# Altium PCB C210.PcbDoc (part 5 of 8)
Units mm, origin at the board's own origin, x right, y up, seen from the top; angles counter-clockwise.
Board outline 68 x 129.25 mm, 6 copper layers (L1, L2, L3, L4, L5, L6), stack 1.547 mm thick; 512 components, 298 nets, 1774 pads, 1892 vias.
Unrouted connection lines stored in the file: 306.
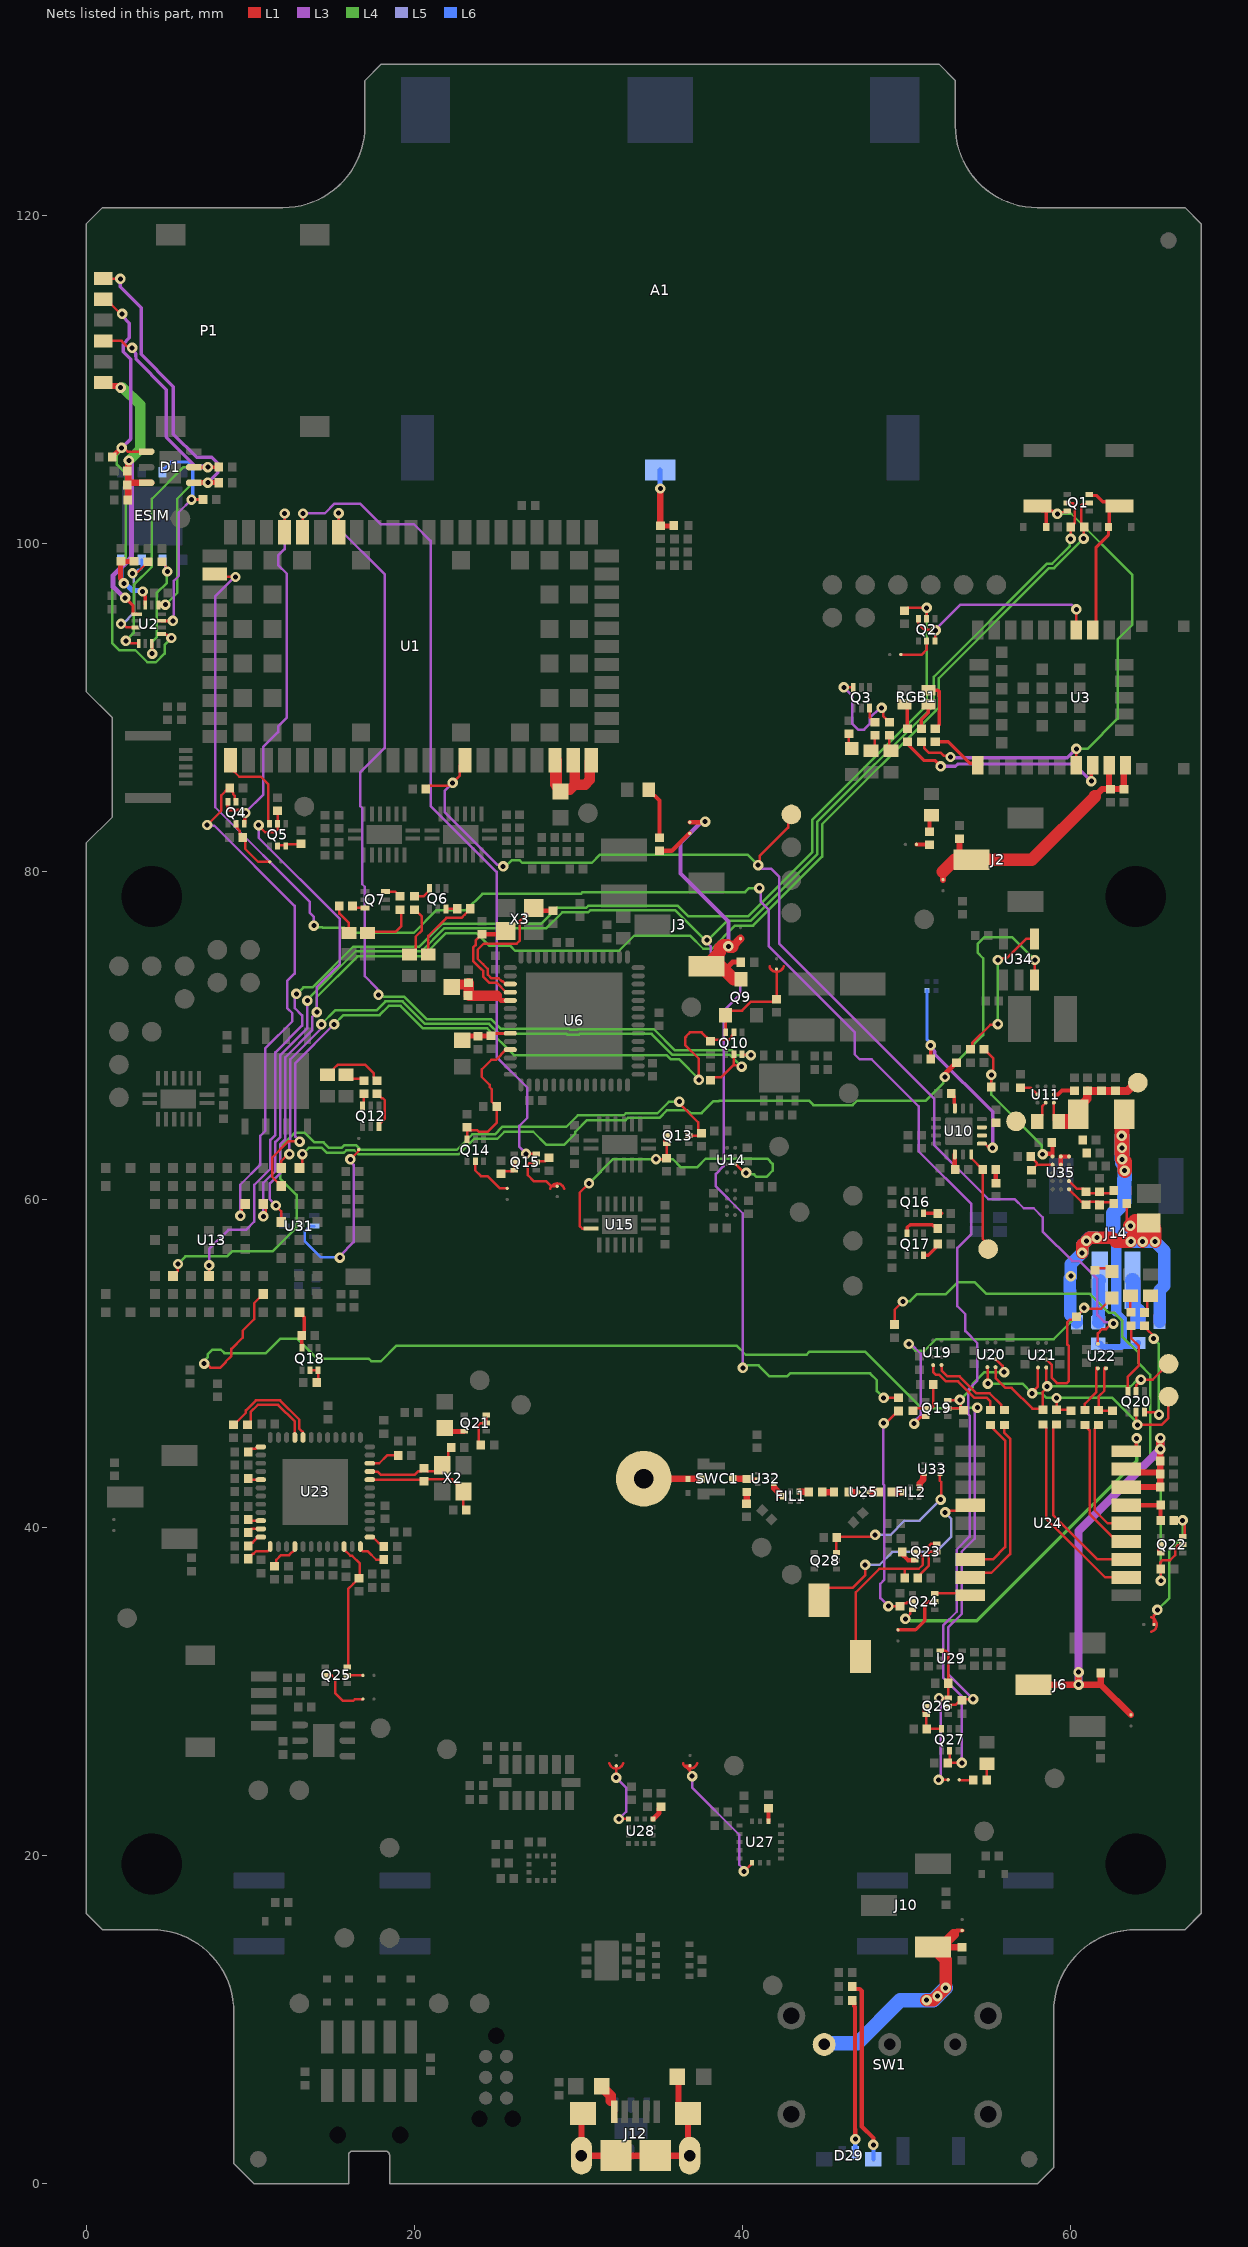
[diagram p9: the nets of this part, all layers, seen from the top]

## Via types
v1: diameter 0.635, hole 0.305, L1 to L6, tented both sides, 1892 vias

## Nets (pads, with @x,y where several pads share a name; then routed paths per layer and width w, separated by ;. In a path a pad name is that pad's centre, name@x,y a point inside that pad or via, vN(x,y) a via of type N, cw(c..) or ccw(c..) an arc to the next point about the centre after c; other vN are vias at no path point) (continued)
MAX_RXD: FB5.1 Q20.5 R85.2 TP35.1 U20.D1 U21.D1 | length 18.8
  L1 w0.152: U20.D1@54.95,49.8 54.963,49.787 54.963,48.813 v1(54.977,48.799) ; v1(57.688,48.2) 57.688,48.272 58.038,48.622 U21.D1@58.038,49.778 ; v1(59.17,47.921) 59.17,47.211 FB5.1@59.163,47.204 59.238,47.204 59.988,47.204 R85.2@60.038,47.154 ; Q20.5@64.025,47.05 64.025,46.354 v1(64.1,46.279) 65.579,46.279 65.975,46.675 65.975,47.975 TP35.1@66,48
  L4 w0.152: v1(54.977,48.799) 57.089,48.799 v1(57.688,48.2) 58.283,48.2 58.563,47.921 v1(59.17,47.921) 59.179,47.929 62.575,47.929 64.1,46.404 v1(64.1,46.279)
MAX_SCL: FB3.2 U24.17 | length 11
  L1 w0.152: U24.17@53.913,36.979 54.188,37.254 55.188,37.254 56.338,38.404 56.338,45.443 55.988,45.793 FB3.2@55.988,46.279
MAX_SDA: FB4.2 U24.16 | length 10.3
  L1 w0.152: U24.16@53.913,38.079 55.288,38.079 56.033,38.824 56.033,45.317 55.138,46.212 FB4.2@55.138,46.279
MAX_TXD: FB6.1 Q20.2 TP33.1 U20.D2 U21.D2 | length 15.9
  L1 w0.152: U20.D2@55.45,49.8 55.45,49.129 56.05,48.529 56.431,48.529 57.695,47.266 58.27,47.266 FB6.1@58.332,47.204 58.332,48.294 58.595,48.557 v1(58.595,48.625) 58.556,48.664 58.556,49.761 U21.D2@58.538,49.778 ; Q20.2@64.025,48.3 64.025,48.675 64.325,48.975 64.315,48.985 v1(64.315,49.039) 65.039,49.039 TP33.1@66,50
  L4 w0.152: v1(58.595,48.625) 63.696,48.625 64.046,48.975 64.315,48.975 v1(64.315,49.039)
MFF2_CLK: C12.1 ESIM.6 U2.7 | length 7.6
  L1 w0.152: U2.7@4.011,93.925 4.018,93.918 4.018,93.307 v1(4.025,93.3) ; C12.1@4.625,98.9 4.861,98.664 4.861,98.403 v1(4.953,98.311)
  L4 w0.152: v1(4.025,93.3) 4.011,93.314 4.011,94.006 4.3,94.294 4.3,97 4.92,97.62 4.92,98.277 v1(4.953,98.311)
  L6 w0.152: ESIM.6@4.66,99.025 4.834,98.851 4.834,98.561 4.953,98.442 v1(4.953,98.311)
MFF2_IO: C1.1 ESIM.3 U2.11 | length 13.6
  L1 w0.203: U2.11@4.586,95.3 v1(5.291,95.3) ; v1(6.426,102.7) C1.1@7.127,102.7
  L3 w0.152: v1(5.291,95.3) 5.35,95.359 5.35,97.751 5.65,98.051 5.65,101.924 v1(6.426,102.7)
  L6 w0.203: ESIM.3@4.66,104.375 4.66,104.45 5.198,104.988 6.258,104.988 6.496,104.75 6.496,102.77 v1(6.426,102.7)
MFF2_RST: C10.1 ESIM.7 U2.3 | length 7
  L1 w0.152: v1(2.124,95.119) 2.255,95.119 2.474,94.9 U2.3@3.036,94.9 ; v1(2.829,98.195) 2.922,98.287 3.147,98.287 3.76,98.9 C10.1@3.775,98.9
  L5 w0.152: v1(2.124,95.119) 2.244,95.119 2.929,95.804 2.929,97.61 2.89,97.649 2.89,98.134 v1(2.829,98.195)
  L6 w0.152: v1(2.829,98.195) 2.96,98.195 3.172,98.408 3.281,98.408 3.39,98.517 ESIM.7@3.39,99.025
MFF2_VSIM: C9.1 C11.1 ESIM.8 U2.15 | length 6.1
  L1 w0.203: C9.1@2.042,98.842 C9.1@2.125,98.925 ; v1(2.298,97.592) v1@2.323,97.566 ; v1(3.45,97.093) 3.45,96.976 3.611,96.815 U2.15@3.611,96.275
  L1 w0.305: v1(2.298,97.592) 2.298,97.681 2.099,97.88 2.099,98.899 C9.1@2.125,98.925 C11.1@2.925,98.925
  L6 w0.305: ESIM.8@2.12,99.025 2.12,97.859 2.298,97.681 v1(2.298,97.592) 2.387,97.592 2.823,97.156 3.387,97.156 v1(3.45,97.093)
N\I\N\A\_\C\O\M\_\C\T\R\L\: Q13.5 Q13.6 R51.2 U14.C2 U15.9 | length 21.4
  L1 w0.152: v1(30.662,61.004) 30.089,60.431 30.089,58.404 30.251,58.242 U15.9@30.786,58.242 ; v1(34.748,62.479) 35.339,62.479 R51.2@35.401,62.54 ; R51.2@35.401,62.54 Q13.6@35.4,63.423 35.25,63.573 35.25,63.875 35.352,63.875 Q13.5@35.4,63.923 ; U14.C2@39.579,62.175 39.604,62.175 40.137,61.642 v1(40.25,61.642)
  L4 w0.152: v1(30.662,61.004) 32.137,62.479 35.769,62.479 36.251,61.997 37.267,61.997 37.783,62.512 41.537,62.512 41.861,62.188 41.861,61.774 41.49,61.403 40.872,61.403 40.726,61.55 40.342,61.55 v1(40.25,61.642)
NANO_CLK: C6.1 D1.4 P1.C3 U2.9 | length 31.5
  L1 w0.152: P1.C3@1.05,114.91 1.35,114.61 1.52,114.61 2.112,114.018 v1(2.192,114.018) ; v1(2.17,105.85) 2.301,105.85 2.526,105.625 D1.4@3.6,105.625 D1.4@3.975,105.625 ; U2.9@4.586,94.5 4.62,94.466 4.901,94.466 5.108,94.259 v1(5.198,94.259)
  L1 w0.305: C6.1@1.6,105.3 1.6,105.315 2.135,105.85 v1(2.17,105.85)
  L3 w0.152: 2.235,112.155 2.255,112.175
  L3 w0.203: v1(2.17,105.85) 2.712,106.392 2.712,111.263 2.255,111.72 2.255,112.175 2.631,112.551 2.631,113.463 2.192,113.901 v1(2.192,114.018)
  L4 w0.152: v1(2.17,105.85) 2.17,105.719 1.875,105.424 1.875,104.829 2.431,104.273 2.431,98.906 1.6,98.075 1.6,93.935 2.014,93.521 2.994,93.521 3.736,92.779 4.259,92.779 4.785,93.306 4.785,93.832 5.198,94.245 v1(5.198,94.259)
NANO_IO: C5.1 D1.1 P1.C7 U2.13 | length 27.6
  L1 w0.152: P1.C7@1.053,116.152 v1(2.082,116.152) ; U2.13@4.411,96.275 4.424,96.287 v1(4.829,96.287)
  L1 w0.305: D1.1@6.65,103.725 v1(7.425,103.725) C5.1@8.1,103.725
  L3 w0.203: v1(2.082,116.152) 2.082,115.678 3.353,114.407 3.353,111.547 5.315,109.585 5.315,106.691 6.735,105.272 7.672,105.272 8.022,104.922 8.022,104.322 v1(7.425,103.725)
  L4 w0.152: v1(4.829,96.287) 5.555,97.013 5.555,102.755 6.525,103.725 v1(7.425,103.725)
NANO_RST: C7.1 D1.2 P1.C2 U2.5 | length 27.4
  L1 w0.152: P1.C2@1.05,112.37 2.168,112.37 2.497,112.041 2.709,112.041 v1(2.801,111.949) ; v1(2.42,94.084) 2.551,94.084 2.71,93.925 U2.5@3.211,93.925
  L1 w0.203: D1.2@6.65,104.675 v1(7.425,104.675) C7.1@8.1,104.675
  L3 w0.203: v1(2.801,111.949) 2.801,111.832 3.022,111.61 3.022,111.42 3.043,111.399 3.043,111.247 4.884,109.406 4.884,106.512 6.721,104.675
  L3 w0.305: 6.721,104.675 v1(7.425,104.675)
  L4 w0.152: v1(2.42,94.084) 2.9,94.563 2.9,97.494 4,98.594 4,102.745 5.93,104.675 v1(7.425,104.675)
NANO_VSIM: C2.1 C3.1 C4.1 D1.6 P1.C1 U2.1 | length 21.2
  L1 w0.203: v1(2.379,96.707) 2.863,96.223 2.863,95.708 2.871,95.7 U2.1@3.086,95.7
  L1 w0.305: C4.1@2.499,104.45 2.499,104.465 2.563,104.529 2.607,104.573 C4.1@2.622,104.573
  L1 w0.381: P1.C1@1.05,109.83 1.26,109.62 1.939,109.62 2.034,109.525 v1(2.103,109.525) ; C2.1@2.499,103.575 C2.1@2.563,103.639 ; C3.1@2.525,102.675 2.563,102.713 C2.1@2.563,103.639 ; v1(2.602,105.079) 2.563,105.041 2.563,104.529 C2.1@2.563,103.725 ; D1.6@3.975,103.725 D1.6@3.6,103.725 C2.1@2.563,103.725 ; C2.1@2.563,103.639 C2.1@2.563,103.725
  L3 w0.305: v1(2.379,96.707) 2.318,96.707 1.65,97.375 1.65,98.075 2.775,99.2 v1@2.775,105.079
  L4 w0.635: v1(2.103,109.525) 2.244,109.525 3.3,108.469 3.3,105.777 v1(2.602,105.079)
NetA1_1: A1.1 Z1.2 Z2.2 | length 4.2
  L1 w0.3: Z1.2@34.993,101.129 35.025,101.097 Z2.2@35.803,101.097
  L1 w0.391: Z1.2@35.015,101.132 v1(35.015,103.375)
  L6 w0.3: A1.1@35,104.5 35,103.39 v1(35.015,103.375)
NetA2_1: A2.1 D18.1 SWC1.A | length 3.5
  L1 w0.391: A2.1@34,43 34,42.987 36.7,42.987 SWC1.A@37.51,42.987
NetBTN4_1: BTN4.1 D2.1 Q1.6 R14.1 U3.7 | length 33.5
  L1 w0.152: R14.1@50.925,87.925 50.933,87.925 51.117,87.741 51.117,87.525 51.392,87.25 52.122,87.25 52.28,87.092 52.614,87.092 v1(52.706,87) ; v1(59.225,101.832) 59.356,101.832 59.45,101.926 59.751,101.926 Q1.6@59.825,102 ; U3.7@60.375,86.5 v1(60.375,87.5)
  L1 w0.203: D2.1@58.55,101.025 BTN4.1@58.55,102.002 ; v1(59.225,101.832) 59.108,101.832 58.939,102.002 BTN4.1@58.55,102.002 ; Q1.6@59.825,101.95 Q1.6@59.825,102 ; BTN4.1@58.55,102.002 58.298,102.002 BTN4.1@58,102.3 58.252,102.3 BTN4.1@58.55,102.002
  L3 w0.203: v1(52.706,87) 52.756,86.95 59.825,86.95 v1(60.375,87.5)
  L4 w0.152: v1(59.225,101.832) 60.068,101.832 63.8,98.1 63.8,95.067 62.896,94.163 62.896,89.347 61.049,87.5 v1(60.375,87.5)
NetBTN5_1: BTN5.1 D3.1 Q1.3 U3.18 | length 10.5
  L1 w0.203: Q1.3@61.175,103 61.223,102.952 61.6,102.952 61.988,102.563 62.737,102.563 BTN5.1@63,102.3 62.673,102.3 62.375,102.002 62.375,101.062 D3.1@62.338,101.025 62.338,100.538 61.575,99.775 61.575,94.95 U3.18@61.375,94.75
NetC16_1: C16.1 C17.2 C28.1 J2.2 NC5.1 U3.9 U3.10 | length 17.9
  L1 w0.381: 52.239,80.015 52.25,80.003 NC5.1@52.25,79.525 ; C28.1@53.25,82.025 53.25,80.741 J2.2@53.975,80.741 ; 61.5,84.6 61.95,85.05 C17.2@62.45,85.05 ; U3.9@62.375,86.5 62.375,85.125 C17.2@62.45,85.05 ; U3.10@63.375,86.5 63.275,86.4 C16.1@63.275,85.05 C17.2@62.45,85.05
  L1 w0.762: 52.239,80.015 52.965,80.741 J2.2@53.25,80.741 ; J2.2@53.975,80.741 57.666,80.741 61.5,84.575 61.5,84.6
NetC32_1: C32.1 C33.2 FB11.1 U6.9 | length 3.1
  L1 w0.203: C33.2@24.693,70 24.832,70.139 25.845,70.139 U6.9@25.864,70.158
  L1 w0.305: FB11.1@22.925,69.725 23.183,69.983 C32.1@23.9,69.983 23.909,69.991 24.684,69.991 C33.2@24.693,70
NetC36_1: C36.1 J3.3 NC2.1 NC6.2 Q9.3 | length 18.9
  L1 w0.254: NC2.1@36.802,83.023 v1@37.744,83.023 ; J3.3@37.775,74.235 38.134,74.235 J3.3@38.642,74.743 ; 38.642,75.333 38.937,75.333 39.061,75.457 v1(39.164,75.457)
  L1 w0.305: 38.935,74.01 39.413,74.488 C36.1@39.925,74.488
  L1 w0.508: v1@39.401,75.424 NC6.2@39.9,75.924
  L1 w0.762: v1@39.401,75.424 39.215,75.424 39.107,75.532 38.842,75.532 38.642,75.333 38.642,75.102 38.276,74.736 37.775,74.235 38.71,74.235 38.935,74.01 39.494,73.45 Q9.3@39.925,73.45
  L3 w0.254: v1(37.744,83.06) 37.535,83.06 36.237,81.762 36.237,79.893 39.164,76.966 v1(39.164,75.457)
NetC41_1: C41.1 C42.2 FB12.1 U6.5 | length 4.5
  L1 w0.305: 25.025,72.445 25.31,72.16 25.861,72.16 U6.5@25.864,72.158
  L1 w0.635: FB12.1@22.347,72.975 22.505,73.133 23.23,73.133 C41.1@23.321,73.224 C42.2@23.321,72.475 ; C42.2@23.352,72.445 25.025,72.445
NetC54_1: C54.1 U11.B3 | length 1.4
  L1 w0.254: U11.B3@59.01,66.422 59.26,66.422 59.51,66.672 C54.1@60.263,66.672
NetC55_1: C55.1 R5.1 TP29.1 U10.2 U10.3 U11.C2 | length 1.5
  L1 w0.152: R5.1@57.805,64.762 57.916,64.873 58.012,64.873 58.288,65.149 58.288,65.699 U11.C2@58.51,65.922
NetC56_2: C56.2 C62.2 C63.1 C147.1 C149.2 F1.1 R5.2 TP31.1 U11.C3 U35.D2 U35.E1 U35.E2 | length 8.6
  L1 w0.152: U11.C3@59.01,65.922 59.01,64.856 R5.2@59.105,64.762
  L1 w0.254: U35.D2@59.43,62.142 U35.E2@59.43,62.642 U35.E1@59.93,62.642
  L1 w0.508: F1.1@60.377,65.204 60.377,65.479 61.043,66.145 61.043,66.641 61.049,66.647 C62.2@61.064,66.647 61.079,66.647 61.085,66.64 C56.2@62.762,66.64 63.508,66.64 64.014,67.147 TP31.1@64.125,67.147
  L1 w0.889: R5.2@59.43,64.751 59.478,64.751 59.454,64.775 60.319,64.775 60.377,64.833 F1.1@60.377,65.204
NetC76_2: C76.2 Q18.3 U13.B9 | length 2.3
  L1 w0.203: U13.B9@13,53.15 13.305,52.845 13.305,51.893 C76.2@13.15,51.738 ; Q18.3@13.15,50.971 C76.2@13.15,51.646
NetC88_1: C88.1 R88.1 U23.45 X2.3 | length 6.2
  L1 w0.152: U23.45@17.3,43.437 17.328,43.409 17.789,43.409 17.956,43.241 20.051,43.241 20.267,43.458 20.426,43.458 R88.1@20.61,43.641 20.789,43.462 21.355,43.462 X2.3@21.71,43.816 22.076,44.183 22.076,44.713 C88.1@22.26,44.897
NetC89_1: C89.1 U23.17 | length 0.8
  L1 w0.152: C89.1@9.875,42.975 9.913,42.937 U23.17@10.65,42.937
NetC90_1: C90.1 U23.46 | length 1.9
  L1 w0.152: U23.46@17.3,43.937 17.873,43.937 18.352,44.417 C90.1@19.03,44.417
NetC96_2: C96.2 C97.2 C100.1 C117.2 J6.2 NC13.1 U24.7 U24.8 | length 32.5
  L1 w0.254: U24.7@63.413,42.479 U24.7@63.424,42.49 ; v1(65.501,44.801) 65.472,44.83 v1@65.501,44.86
  L1 w0.305: U24.8@63.413,43.579 U24.8@63.593,43.4 ; C96.2@65.391,43.4 65.416,43.375 C96.2@65.501,43.29
  L1 w0.381: J6.2@57.758,30.437 61.874,30.437 ; v1(60.513,30.44) v1(60.513,31.196) ; C117.2@61.86,31.156 61.86,30.451 61.874,30.437 ; U24.7@63.424,42.49 C100.1@65.501,42.49 C96.2@65.501,43.29 ; U24.8@63.593,43.4 63.618,43.375 C96.2@65.416,43.375 ; NC13.1@63.711,28.601 61.874,30.437 ; C96.2@65.501,43.4 C97.2@65.501,44.09 v1(65.501,44.801)
  L1 w0.508: v1@65.501,44.86 v1(65.501,45.475)
  L3 w0.508: v1@60.513,30.425 v1(60.513,30.44) v1(60.513,31.196) 60.513,39.813 v1(65.501,44.801) v1(65.501,45.475)
NetC98_1: C98.1 L2.2 | length 0.7
  L1 w0.391: C98.1@44.875,42.175 L2.2@45.6,42.175
NetC98_2: C98.2 FIL1.4 | length 0.6
  L1 w0.391: FIL1.4@43.5,42.213 C98.2@44.075,42.213
NetC99_1: C99.1 FIL2.1 | length 0.6
  L1 w0.391: C99.1@49.125,42.175 FIL2.1@49.693,42.175
NetC99_2: C99.2 U25.2 | length 0.5
  L1 w0.391: U25.2@47.8,42.175 C99.2@48.325,42.175
NetC102_1: C102.1 R88.2 U23.44 X2.1 | length 7.3
  L1 w0.152: U23.44@17.3,42.937 20.514,42.937 R88.2@20.61,42.841 20.743,42.974 22.316,42.974 22.316,42.96 23.01,42.266 X2.1@23.01,42.216 23.01,41.272 C102.1@23.182,41.1
NetC103_2: C103.2 L1.1 | length 0.7
  L1 w0.391: C103.2@40.275,41.479 L1.1@40.275,42.182
NetC105_2: C105.2 R96.1 U24.6 | length 3
  L1 w0.254: U24.6@63.413,41.379 C105.2@65.513,41.379 R96.1@65.513,40.466 ; R96.1@65.512,40.454 R96.1@65.523,40.466
NetC113_2: C113.2 U28.4 | length 1
  L1 w0.305: U28.4@34.575,22.25 34.933,22.608 34.933,22.898 C113.2@35.044,23.009
NetC118_1: C118.1 U27.14 | length 0.8
  L1 w0.254: U27.14@41.6,22.105 C118.1@41.6,22.917
NetC130_1: C130.1 J10.3 NC15.2 SW1.1 | length 16.2
  L1 w0.254: J10.3@51.65,14.435 J10.3@51.657,14.428 ; 52.892,15.232 53.11,15.45 NC15.2@53.418,15.45
  L1 w0.381: J10.3@52.088,14.428 C130.1@53.4,14.428
  L1 w0.635: J10.3@52.088,14.428 52.892,15.232
  L1 w0.762: v1@51.225,11.2 v1(51.25,11.2) 51.663,11.2 v1(51.909,11.446) v1(52.413,11.95) 52.425,11.962 52.425,13.66 J10.3@51.657,14.428
  L6 w0.889: SW1.1@45,8.5 45.084,8.584 47.034,8.584 49.65,11.2 v1(51.25,11.2) 51.663,11.2 v1(51.909,11.446) v1(52.413,11.95)
NetC144_2: C144.2 Q14.3 R45.2 U6.11 | length 8.6
  L1 w0.152: Q14.3@23.231,63.701 23.231,64.356 23.232,64.357 23.332,64.258 23.836,64.258 23.945,64.148 24.473,64.148 25.044,64.719 25.044,65.501 R45.2@24.966,65.58 ; R45.2@25.025,65.7 25.025,65.715 24.841,65.899 24.826,65.899 24.73,65.995 24.73,66.749 24.611,66.868 24.611,67.011 24.125,67.497 24.125,67.955 24.702,68.532 24.988,68.532 25.614,69.158 U6.11@25.864,69.158
NetC145_1: C145.1 U6.4 X3.1 | length 6.6
  L1 w0.152: C145.1@24.132,76.192 23.753,75.813 23.753,75.531 23.597,75.375 23.597,74.575 24.084,74.088 24.203,73.969 24.209,73.964 24.209,73.624 24.608,73.225 25.046,73.225 25.614,72.658 U6.4@25.864,72.658
  L1 w0.254: C145.1@24.147,76.192 24.217,76.192 25.385,76.192 X3.1@25.592,76.399
NetC146_1: C146.1 U6.3 X3.3 | length 9.8
  L1 w0.152: U6.3@25.864,73.158 25.574,73.158 25.395,73.336 25.33,73.336 25.162,73.504 24.723,73.504 24.488,73.74 24.488,74.079 24.2,74.368 23.877,74.691 23.877,75.26 24.246,75.628 26.259,75.628 26.45,75.819 26.45,77.007 27.242,77.799 X3.3@27.292,77.799
  L1 w0.254: X3.3@27.292,77.799 27.464,77.627 C146.1@28.473,77.627
NetC150_1: C150.1 C151.2 R76.1 U35.B1 | length 3.3
  L1 w0.15: U35.B1@59.93,61.142 60.387,60.685 60.791,60.685 61.076,60.4 61.626,60.4 61.764,60.538 61.801,60.575 61.976,60.4 62.496,60.4 R76.1@62.673,60.577
NetC150_2: C150.2 C152.2 R6.1 U35.A1 | length 3.3
  L1 w0.152: U35.A1@59.93,60.642 60.688,59.884 60.792,59.884 C150.2@60.976,59.7 61.151,59.875 61.734,59.875 61.814,59.795 61.871,59.852 62.58,59.852 R6.1@62.664,59.767
NetC153_1: C153.1 R75.2 R87.2 U35.E3 | length 10.2
  L1 w0.152: R87.2@54.75,69.175 54.765,69.175 55.102,68.838 55.109,68.838 55.3,68.647 55.3,67.954 55.286,67.94 55.286,67.716 v1(55.193,67.624) 55.193,66.882 R75.2@55.197,66.878
  L1 w0.254: v1(58.32,62.781) 58.355,62.816 58.93,62.816 ; C153.1@58.888,63.5 58.93,63.458 58.93,62.816 ; U35.E3@58.93,62.642 58.93,62.816
  L4 w0.152: v1(55.193,67.624) 55.193,66.408 58.275,63.327 58.275,62.825 v1(58.32,62.781)
NetC154_2: C154.2 R92.2 U35.D3 | length 2.1
  L1 w0.152: R92.2@57.61,62.64 57.61,62.625 57.978,62.257 57.978,62.142 ; C154.2@57.635,61.815 57.65,61.815 57.978,62.142 ; U35.D3@58.93,62.142 57.978,62.142
NetD4_2: D4.2 R10.1 | length 1
  L1 w0.152: R10.1@46.51,88.425 46.51,87.7 D4.2@46.685,87.525
NetD5_A: D5.A R11.1 | length 1
  L1 w0.152: R11.1@48.975,88.325 48.975,87.475 D5.A@49.075,87.375
NetD6_A: D6.A R12.1 | length 1.1
  L1 w0.152: D6.A@47.85,87.375 48.1,87.625 R12.1@48.1,88.325
NetD7_A: D7.A R21.1 | length 3.2
  L1 w0.254: D7.A@34.3,85 34.96,84.34 R21.1@34.96,82.083
NetD8_A: D8.A R22.1 | length 1.1
  L1 w0.254: R22.1@51.425,82.45 51.425,83.325 D8.A@51.55,83.45
NetD9_A: D9.A R23.1 | length 3.3
  L1 w0.152: D9.A@19.717,74.954 19.792,74.954 20.091,75.253 20.091,76.04 20.474,76.424 20.474,77.266 20.04,77.7 R23.1@20.025,77.7
NetD10_A: D10.A R24.1 | length 4.4
  L1 w0.152: D10.A@20.862,74.954 20.862,76.094 21.963,77.196 22.893,77.196 23.088,77.391 23.088,77.398 23.425,77.735 R24.1@23.425,77.75
NetD11_A: D11.A R28.1 | length 3.3
  L1 w0.15: D11.A@17.15,76.275 17.233,76.358 18.883,76.358 19.22,76.695 19.22,77.63 R28.1@19.15,77.7
NetD12_A: D12.A R25.1 | length 1.9
  L1 w0.152: R25.1@15.442,77.907 15.442,77.46 16.025,76.877 D12.A@16.025,76.275
NetD13_A: D13.A R38.1 | length 1.2
  L1 w0.152: D13.A@15.85,67.625 16.1,67.375 16.831,67.375 R38.1@16.931,67.275
NetD14_A: D14.A R39.1 | length 3.9
  L1 w0.152: D14.A@14.725,67.625 14.8,67.625 15.099,67.924 15.099,67.999 15.35,68.25 17.009,68.25 17.526,67.733 17.526,67.451 R39.1@17.727,67.25
NetD15_1: D15.1 Q19.3 R70.2 U21.C2 | length 27.8
  L1 w0.15: v1(50.485,46.35) 50.869,46.734 51.143,46.734 Q19.3@51.188,46.779
  L1 w0.152: U21.C2@58.538,50.278 58.864,49.953 58.864,49.156 59.192,48.828 59.798,48.828 59.919,48.95 59.919,51.082 59.827,51.175 59.827,52.545 59.979,52.698 60.203,52.698 R70.2@60.387,52.882 ; R70.2@60.411,52.931 60.452,52.931 60.855,53.335 v1(60.855,53.42) 60.905,53.37 61.895,53.37 D15.1@62.55,54.025
  L3 w0.15: v1(50.166,51.212) 50.294,51.212 50.888,50.617 50.888,46.884 50.485,46.481 v1(50.485,46.35)
  L4 w0.152: v1(50.166,51.212) 50.568,50.81 51.135,50.81 51.824,51.5 58.994,51.5 60.855,53.362 v1(60.855,53.42)
NetD15_2: D15.2 R68.1 | length 1
  L1 w0.152: R68.1@61.588,55.825 62.35,55.825 D15.2@62.55,55.625
NetD16_A: D16.A R71.1 | length 1.2
  L1 w0.152: R71.1@64.525,53.132 64.688,53.295 64.688,53.934 D16.A@64.9,54.146
NetD17_A: D17.A R72.1 | length 1
  L1 w0.152: D17.A@63.675,54.15 63.675,53.186 R72.1@63.725,53.136
NetD21_A: D21.A R118.1 | length 1
  L1 w0.152: R118.1@54.9,24.619 54.9,25.595 D21.A@54.925,25.62
NetD29_1: D29.1 R126.1 | length 9.4
  L1 w0.254: R126.1@46.704,11.175 46.837,11.042 46.837,10.85 46.888,10.799 46.888,3.34 46.9,3.328 v1(46.9,2.725)
  L6 w0.254: D29.1@46.9,1.9 v1(46.9,2.725)
NetD29_3: D29.3 R124.1 | length 11.3
  L1 w0.254: R124.1@46.704,12.025 46.704,12.01 46.837,11.877 47.169,11.877 47.292,11.753 47.292,3.507 48,2.799 v1(48,2.375)
  L6 w0.254: D29.3@48,1.5 v1(48,2.375)
NetF1_2: F1.2 R200.1 R201.1 | length 19.8
  L1 w0.889: F1.2@63.162,65.369 v1(63.162,63.175) 63.162,62.828 63.173,62.817 v1(63.173,62.47) 63.325,62.318 v1(63.325,61.777)
  L6 w0.381: R200.1@61.717,51.241 61.792,51.241 62.009,51.023 63.126,51.023 63.19,51.087 ; 62.804,53.216 63.27,52.75 63.27,51.167 63.19,51.087 ; R201.1@64.141,51.272 63.957,51.087 63.19,51.087
  L6 w0.635: 62.575,58.044 62.623,57.996 62.804,57.815 62.804,53.216
  L6 w0.889: 62.623,57.992 62.623,57.996 62.623,59.17 63.306,59.852 63.306,61.251 63.325,61.27 v1(63.325,61.777) 63.325,62.115 63.173,62.267 v1(63.173,62.47) 63.162,62.481 v1(63.162,63.175) v1@63.162,63.9
  other v1: 63.14,63.9
NetFB1_2: FB1.2 U1.51 U1.52 U1.53 | length 8.1
  L1 w0.635: FB1.2@28.6,85.35 U1.51@28.6,86.8 ; U1.51@28.7,86.8 28.7,85.172 28.872,85 29.48,85 29.8,85.32 ; U1.52@29.8,86.8 29.8,85.32 ; U1.53@30.8,86.8 30.717,86.717 30.717,85.61 30.428,85.32 29.8,85.32
NetFB2_2: FB2.2 Q21.3 | length 1.2
  L1 w0.305: FB2.2@21.856,45.988 21.956,45.888 Q21.3@23.053,45.888
NetFB3_1: FB3.1 U19.A1 | length 5.3
  L1 w0.152: U19.A1@52.15,49.925 52.168,49.907 52.168,49.584 52.518,49.234 53.259,49.234 54.293,48.2 55.1,48.2 55.788,47.512 55.788,47.442 55.789,47.441 55.789,47.353 55.963,47.179 FB3.1@55.988,47.179
NetFB4_1: FB4.1 U19.A2 | length 5.2
  L1 w0.152: U19.A2@51.65,49.925 51.65,49.497 51.797,49.35 52.006,49.35 52.427,48.929 53.168,48.929 54.177,47.921 54.922,47.921 55.138,47.704 FB4.1@55.138,47.179
NetFB5_2: FB5.2 U24.3 | length 11.2
  L1 w0.152: FB5.2@59.163,46.304 58.963,46.104 58.963,40.785 61.669,38.079 U24.3@63.413,38.079
NetFB6_2: FB6.2 U24.2 | length 12.2
  L1 w0.152: FB6.2@58.332,46.304 58.538,46.098 58.538,40.579 62.138,36.979 U24.2@63.413,36.979
NetFB7_1: FB7.1 R86.2 U22.A1 | length 3.6
  L1 w0.152: U22.A1@62.131,49.768 62.088,49.725 62.088,48.359 61.738,48.009 FB7.1@61.738,47.179 61.788,47.129 R86.2@62.588,47.129
NetFB7_2: FB7.2 U24.5 | length 7.6
  L1 w0.152: FB7.2@61.738,46.279 61.5,46.041 61.5,41.064 62.285,40.279 U24.5@63.413,40.279
NetFB8_1: FB8.1 U22.A2 | length 2.9
  L1 w0.152: FB8.1@60.901,47.179 60.901,47.567 61.588,48.254 U22.A2@61.588,49.75
NetFB8_2: FB8.2 U24.4 | length 8.5
  L1 w0.152: FB8.2@60.901,46.279 60.901,46.234 61.188,45.946 61.188,40.854 62.863,39.179 U24.4@63.413,39.179